# KiCad board selen-rev2.kicad_pcb
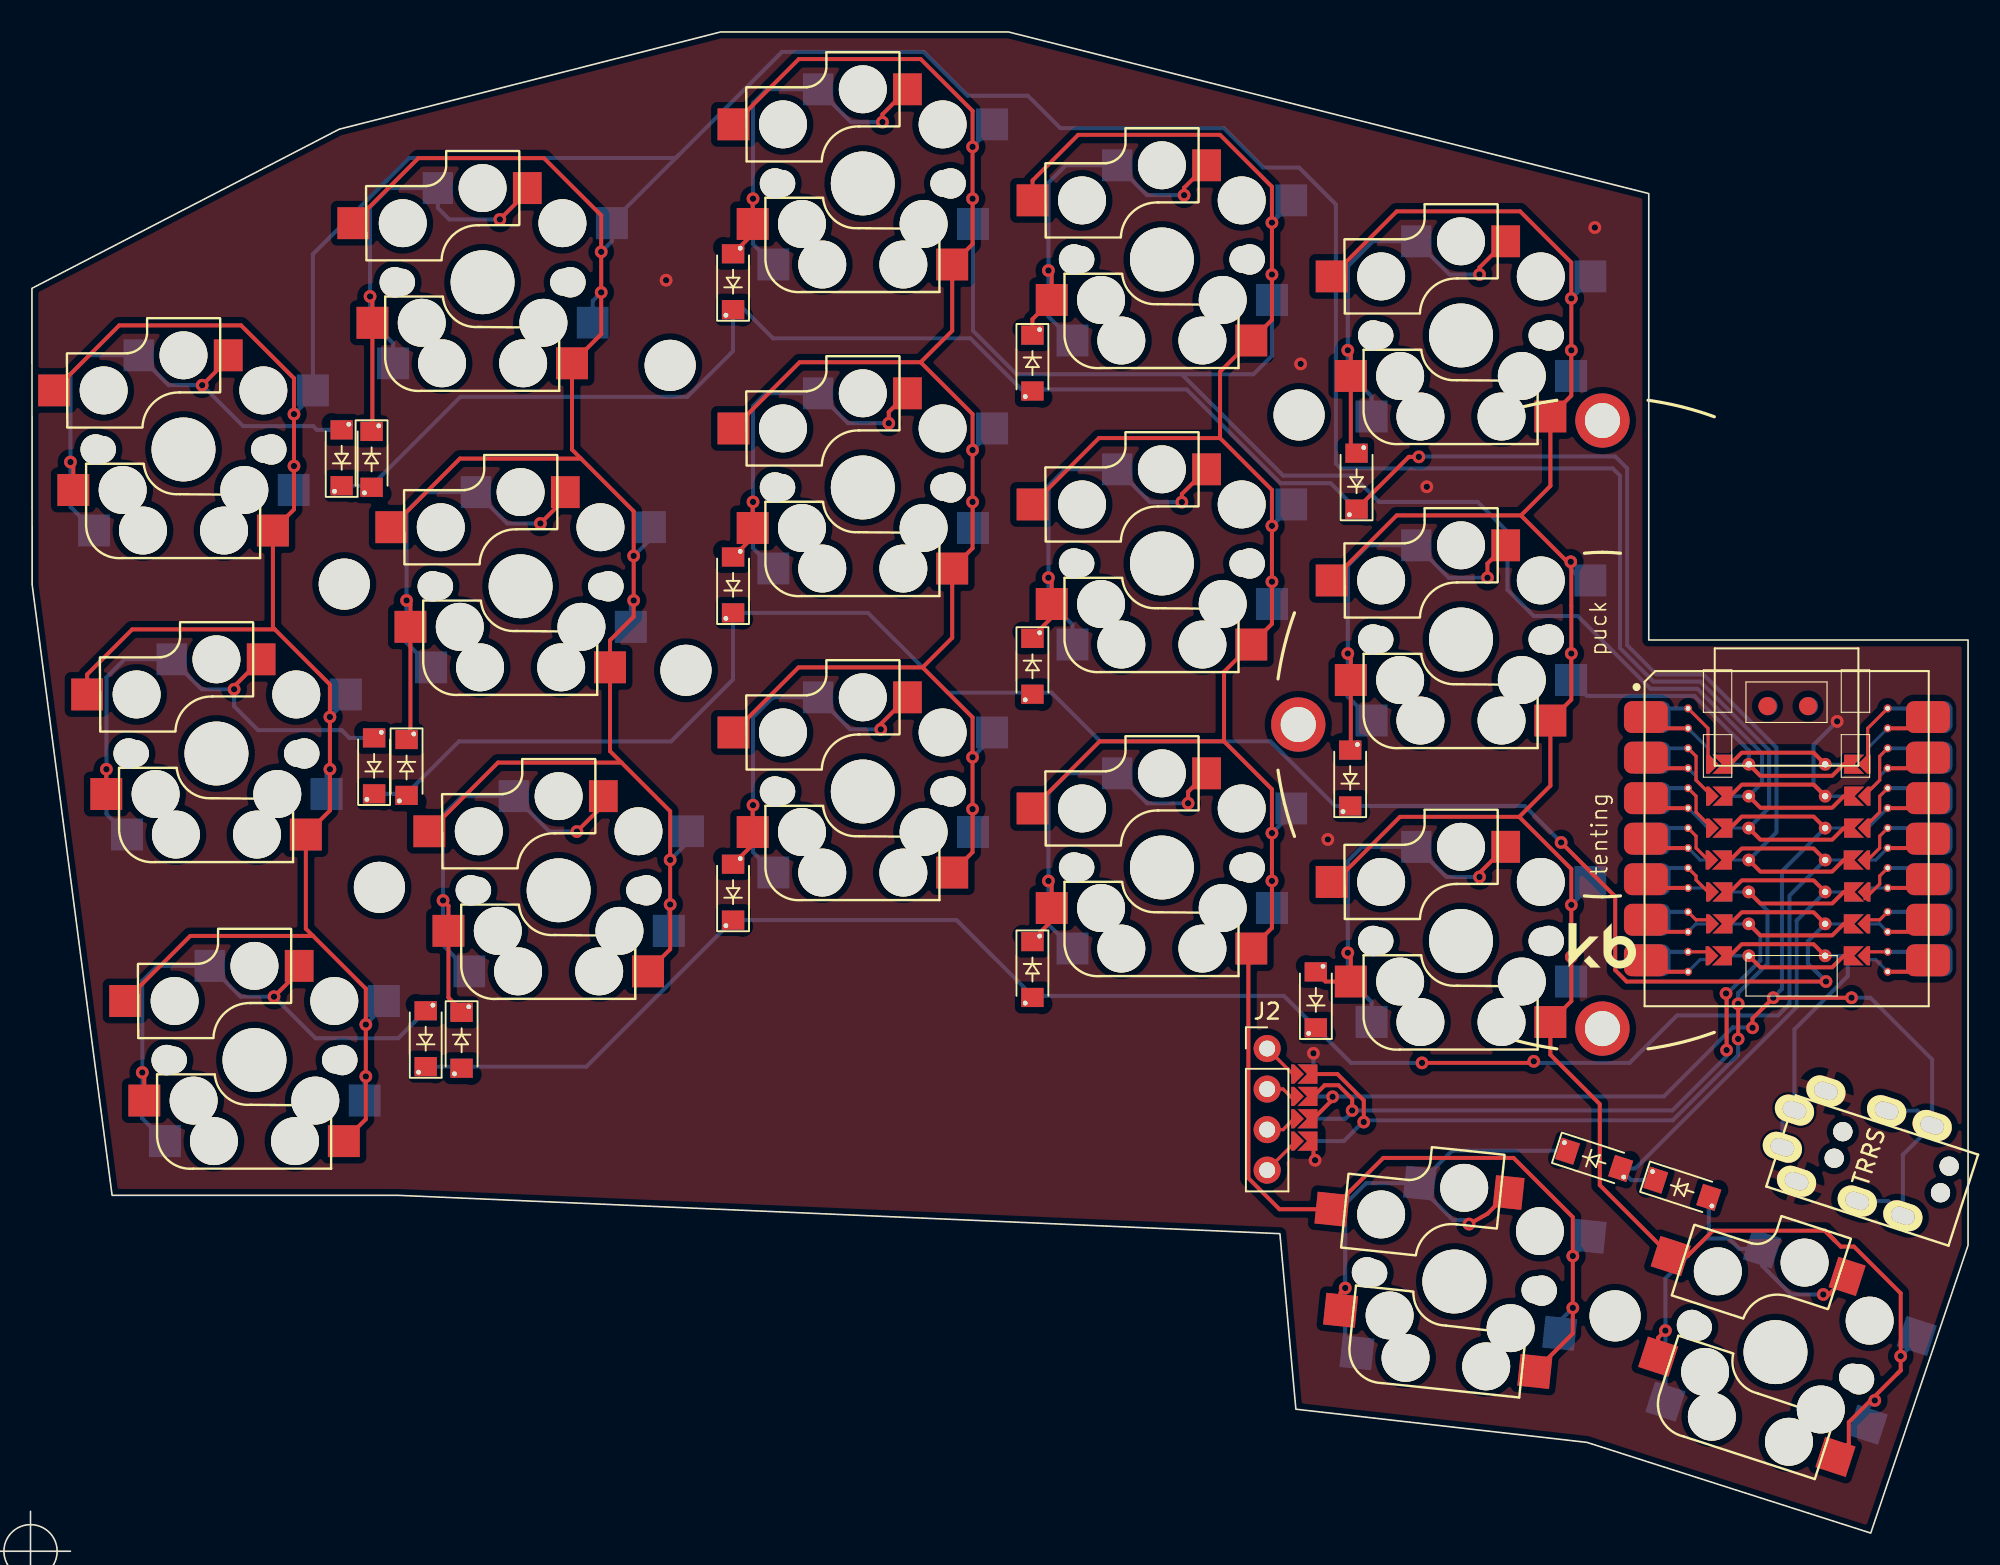
[diagram p0: board, top side]
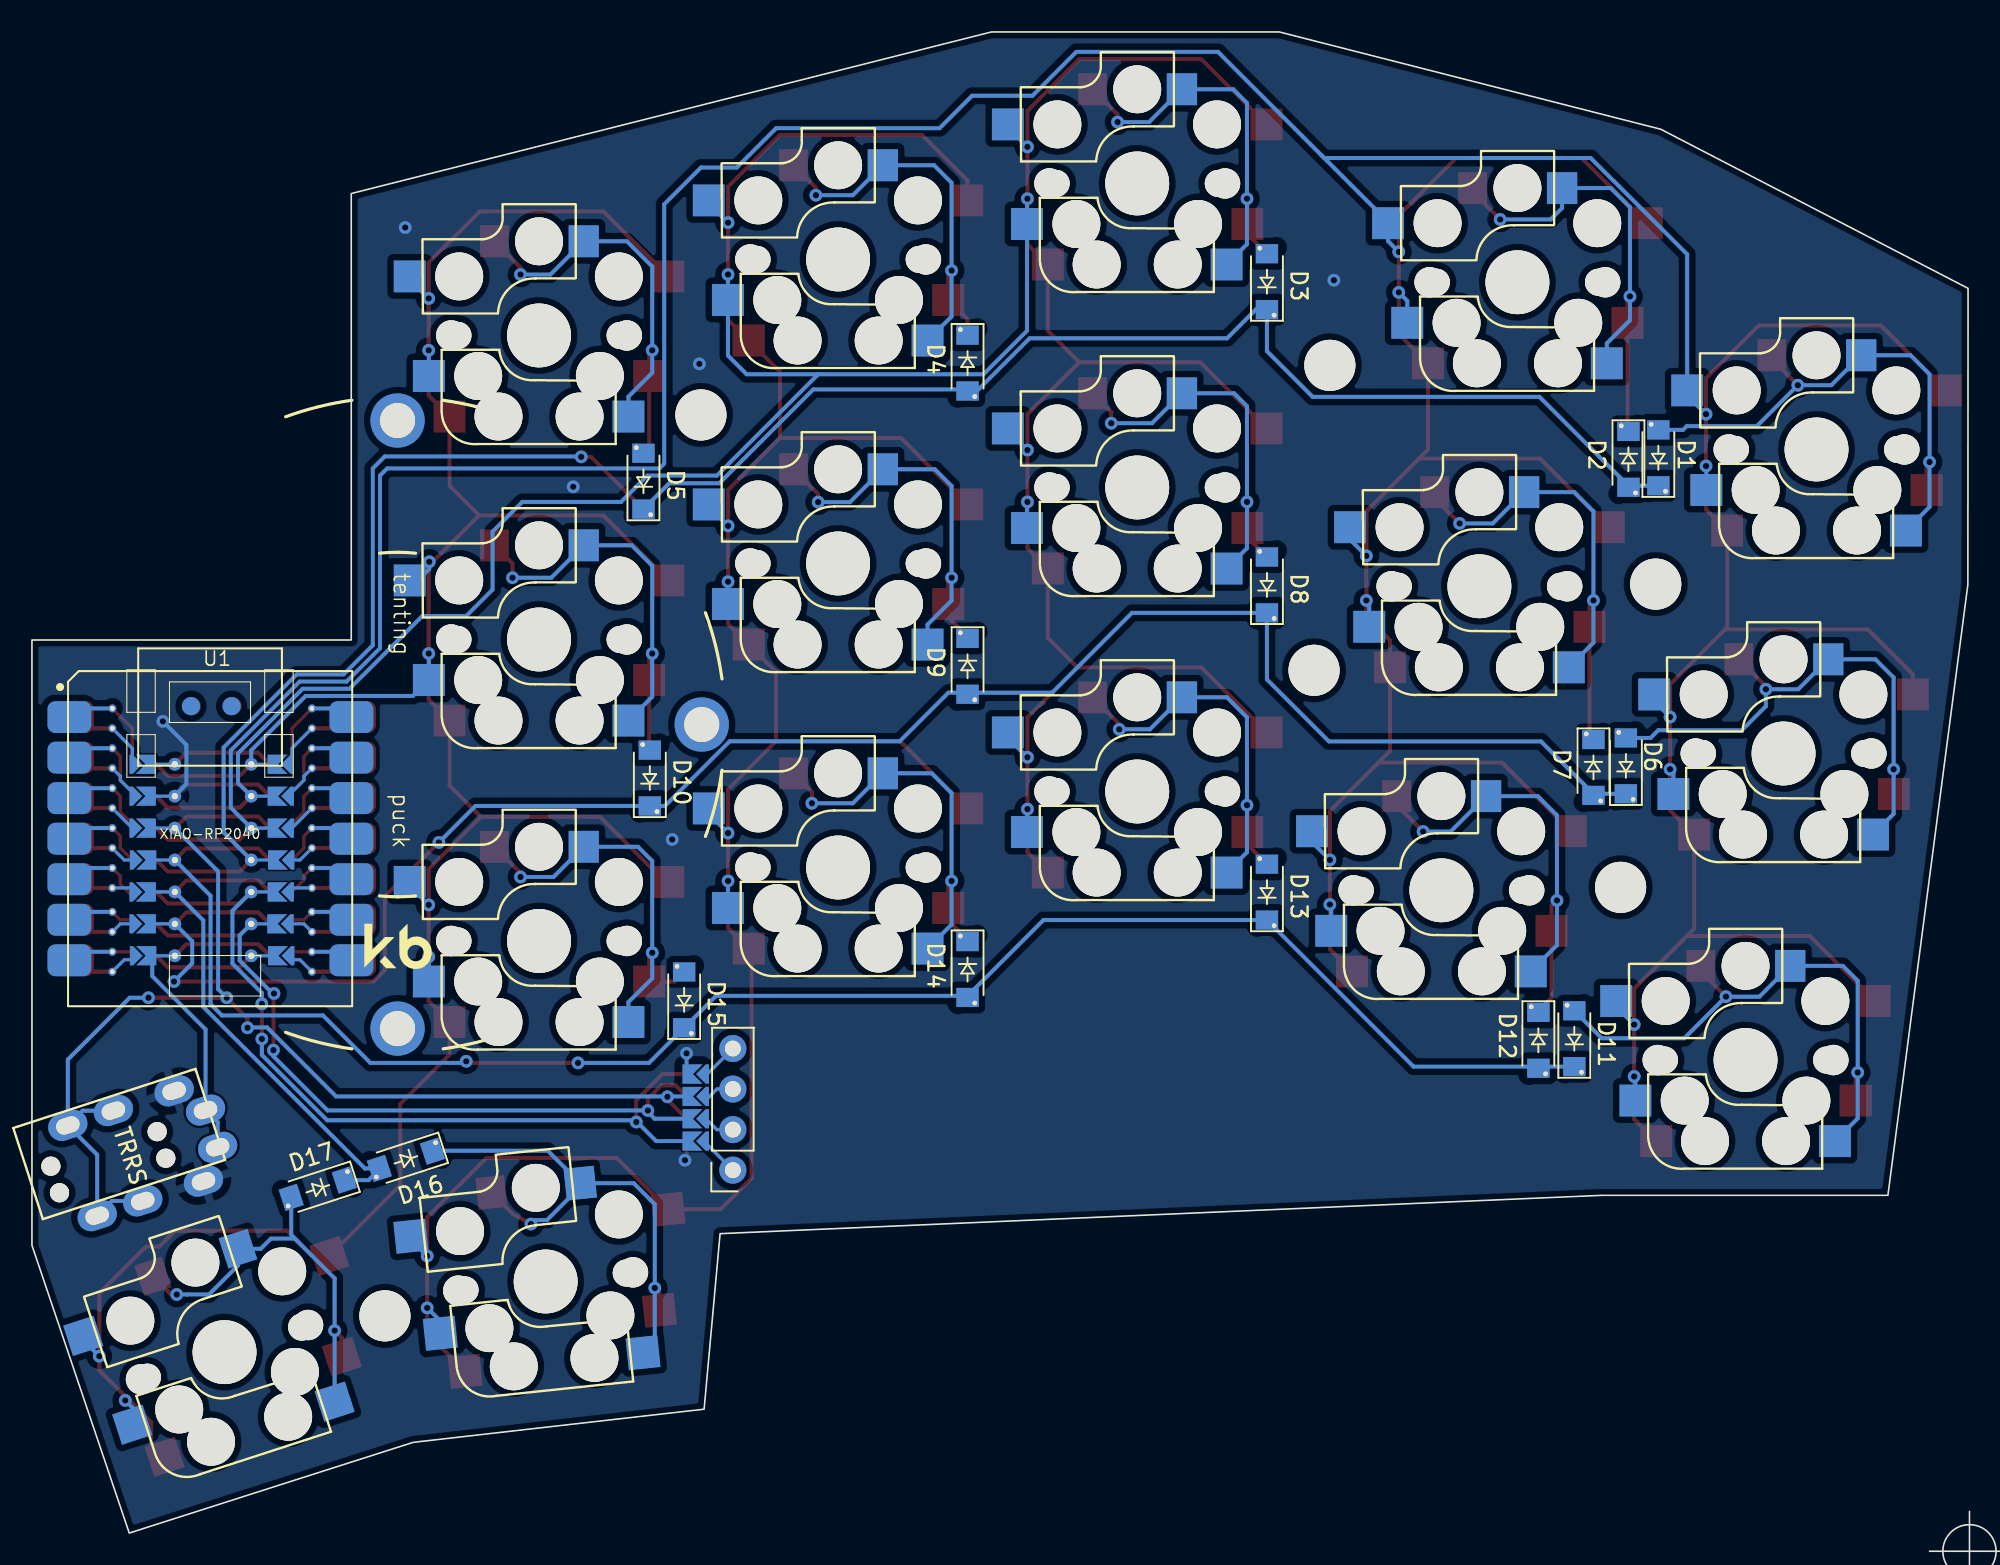
[diagram p1: board, bottom side, seen from below]

Outline 121.26 x 94.06 mm; copper layers: Top, Bottom. Coordinates in mm from the lower left corner of the outline.
Outline path: 101.26,83.93 101.26,55.96 121.26,55.96 121.26,18.03 115.17,0 97.39,5.68 79.16,7.76 78.16,18.76 22.96,21.16 5.02,21.16 0.01,59.43 0,78 19.24,87.97 43.14,94.06 61.15,94.06 closed
Stack: Top 0.035mm / dielectric 1.51mm FR4 er 4.5 / Bottom 0.035mm

## Placement (name value [footprint] x y rotation side)
D1  D  [D_SOD-123_axial]  19.4 67.33 90 top
D2  D  [D_SOD-123_axial]  21.27 67.33 270 top
D3  D  [D_SOD-123_axial]  43.91 78.36 90 top
D4  D  [D_SOD-123_axial]  62.66 73.36 270 top
D5  D  [D_SOD-123_axial]  82.96 65.86 90 top
D6  D  [D_SOD-123_axial]  21.43 48.02 90 top
D7  D  [D_SOD-123_axial]  23.46 48.02 270 top
D8  D  [D_SOD-123_axial]  43.91 59.36 90 top
D9  D  [D_SOD-123_axial]  62.66 54.36 270 top
D10  D  [D_SOD-123_axial]  82.56 47.26 90 top
D11  D  [D_SOD-123_axial]  24.66 30.93 90 top
D12  D  [D_SOD-123_axial]  26.91 30.93 270 top
D13  D  [D_SOD-123_axial]  43.91 40.11 90 top
D14  D  [D_SOD-123_axial]  62.66 35.36 270 top
D15  D  [D_SOD-123_axial]  80.41 33.36 90 top
D16  D  [D_SOD-123_axial]  97.79 23.4 342 top
D17  D  [D_SOD-123_axial]  103.31 21.59 342 top
J1  AudioJack4  [MJ-4PP-9]  120.96 20.86 252 top
J2  Conn_01x04  [PinHeader_1x04_P2.54mm_Vertical axial right]  77.36 30.36 0 top
REF**  -  [MountingHole_3.2mm_M3]  79.36 70.06 0 top
REF**#2  -  [MountingHole_3.2mm_M3]  21.76 40.46 0 top
REF**#3  -  [MountingHole_3.2mm_M3]  39.97 73.17 0 top
REF**#4  -  [MountingHole_3.2mm_M3]  19.56 59.46 0 top
REF**#5  Tenting Puck  [Tenting_Puck_1-3]  98.36 50.66 0 top
REF**#6  -  [MountingHole_3.2mm_M3]  99.15 13.61 0 top
REF**#7  -  [MountingHole_3.2mm_M3]  40.96 54.06 0 top
SW1  SW_Push  [CherryMX_Choc_Hotswap]  9.49 67.9 180 top
SW2  SW_Push  [CherryMX_Choc_Hotswap]  28.22 78.38 180 top
SW3  SW_Push  [CherryMX_Choc_Hotswap]  52.04 84.57 180 top
SW4  SW_Push  [CherryMX_Choc_Hotswap]  70.77 79.8 180 top
SW5  SW_Push  [CherryMX_Choc_Hotswap]  89.5 75.04 180 top
SW6  SW_Push  [CherryMX_Choc_Hotswap]  11.56 48.85 180 top
SW7  SW_Push  [CherryMX_Choc_Hotswap]  30.61 59.33 180 top
SW8  SW_Push  [CherryMX_Choc_Hotswap]  52.04 65.52 180 top
SW9  SW_Push  [CherryMX_Choc_Hotswap]  70.77 60.75 180 top
SW10  SW_Push  [CherryMX_Choc_Hotswap]  89.5 55.99 180 top
SW11  SW_Push  [CherryMX_Choc_Hotswap]  13.94 29.64 180 top
SW12  SW_Push  [CherryMX_Choc_Hotswap]  32.99 40.28 180 top
SW13  SW_Push  [CherryMX_Choc_Hotswap]  52.04 46.47 180 top
SW14  SW_Push  [CherryMX_Choc_Hotswap]  70.77 41.7 180 top
SW15  SW_Push  [CherryMX_Choc_Hotswap]  89.5 37.1 180 top
SW16  SW_Push  [CherryMX_Choc_Hotswap]  89.09 15.76 174 top
SW17  SW_Push  [CherryMX_Choc_Hotswap]  109.2 11.34 162 top
U1  XIAO-RP2040  [XIAO-MOUDLE14P-2.54-21X17.8MM_SMD_reversible]  99.73 32.92 0 top

## Footprints (pads in the part's own frame, mm; a bottom-side part is the same pattern mirrored in y, then rotated)
CherryMX_Choc_Hotswap
  round 1.9 hole 1.9 unplated: (-5.5,0) (5.5,0)
  round 1.7 hole 1.7 unplated: (-5.08,0) (5.08,0)
  round 3 hole 3 unplated: (-5,-3.7) (-3.81,2.54) (-2.54,5.08) (0,-5.9) (2.54,5.08) (3.81,2.54) (5,-3.7)
  round 4 hole 4 unplated: (0,0)
  rect 2x2 smd far side: 1(-8.1,-3.7) 1(-6.9,2.54) 2(5.6,5.08)
  rect 2x2 smd: 1(-5.6,5.08) 1(8.1,-3.7) 2(6.9,2.54)
  rect 1.8x2 smd: 2(-2.8,-5.9)
  rect 1.9x2 smd far side: 2(2.8,-5.9)
D_SOD-123_axial
  round 0.5 hole 0.3: 1(-2.05,0.45) 2(2.15,-0.45)
  rect 1.2x1.4 smd: 1(-1.7,0) 2(1.8,0)
  rect 1.2x1.4 smd far side: 1(-1.7,0) 2(1.8,0)
MJ-4PP-9
  round 1.2 hole 1.2 unplated: (-1.75,-1.5) (-1.75,-8.5) (0,-8.5) (0,-1.5)
  oval 1.7x2.5 hole 1x1.5: A(-2.1,-11.8) A(0.35,-11.8) B(-3.85,-3.3) B(2.1,-3.3) C(-3.85,-6.3) C(2.1,-6.3) D(-3.85,-10.3) D(2.1,-10.3)
MountingHole_3.2mm_M3
  round 3.2 hole 3.2 unplated: (0,0)
PinHeader_1x04_P2.54mm_Vertical axial right
  oval 1.7x1.7 hole 1: (0,0) (0,-2.54) (0,-5.08) (0,-7.62)
  custom 0.8x1.2 smd: (1.9,-1.6) (1.9,-3) (1.9,-4.4) (1.9,-5.8)
  custom 0.8x1.2 smd far side: (1.9,-1.6) (1.9,-3) (1.9,-4.4) (1.9,-5.8)
  custom 1.25x1.2 smd far side: 1(2.9,-1.6) 2(2.9,-3) 3(2.9,-4.4) 4(2.9,-5.8)
  custom 1.25x1.2 smd: 1(2.9,-5.8) 2(2.9,-4.4) 3(2.9,-3) 4(2.9,-1.6)
Tenting_Puck_1-3
  round 3.4 hole 2.2: 1(-19.05,0) 1(0,19.05) 1(0,-19.05)
XIAO-MOUDLE14P-2.54-21X17.8MM_SMD_reversible
  rrect 2.748x1.999 smd: (1.358,18.206) (1.358,15.666) (1.358,13.126) (1.358,10.586) (1.358,8.046) (1.358,5.506) (1.358,2.966) (19.024,18.206) (19.024,15.666) (19.024,13.126) (19.024,10.586) (19.024,8.046) (19.024,5.506) (19.024,2.966)
  rrect 2.748x1.999 smd far side: (1.524,18.206) (1.524,15.666) (1.524,13.126) (1.524,10.586) (1.524,8.046) (1.524,5.506) (1.524,2.966) (19.191,18.206) (19.191,15.666) (19.191,13.126) (19.191,10.586) (19.191,8.046) (19.191,5.506) (19.191,2.966)
  round 0.5 hole 0.3: (4,18.75) (4,17.5) (4,16.25) (4,15) (4,13.75) (4,12.5) (4,11.25) (4,10) (4,8.75) (4,7.5) (4,6) (4,4.75) (4,3.5) (4,2.25) (16.5,18.75) (16.5,17.5) (16.5,16.25) (16.5,15) (16.5,13.75) (16.5,12.5) (16.5,11.25) (16.5,10) (16.5,8.75) (16.5,7.5) (16.5,6) (16.5,4.75) (16.5,3.5) (16.5,2.25)
  custom 0.8x1.2 smd: (5.5,9.25) (5.5,3.25) (5.524,15.25) (5.524,13.25) (5.524,11.25) (5.524,7.25) (5.524,5.25) (15,9.25) (15,5.25) (15,3.25) (15.024,15.25) (15.024,13.25) (15.024,11.25) (15.024,7.25)
  custom 0.8x1.2 smd far side: (5.5,9.25) (5.5,3.25) (5.524,15.25) (5.524,13.25) (5.524,11.25) (5.524,7.25) (5.549,5.25) (15,9.25) (15,3.25) (15.024,15.25) (15.024,13.25) (15.024,11.25) (15.024,7.25) (15.024,5.25)
  custom 1.25x1.2 smd far side: 1(6.524,15.25) 2(6.524,13.25) 3(6.524,11.25) 4(6.5,9.25) 5(6.524,7.25) 6(6.549,5.25) 7(6.5,3.25) 8(14,3.25) 9(14.024,5.25) 10(14.024,7.25) 11(14,9.25) 12(14.024,11.25) 13(14.024,13.25) 14(14.024,15.25)
  custom 6.2x0.975 smd: 1(7.801,15.25) 2(7.801,13.25) 3(7.801,11.25) 4(7.801,9.25) 5(7.801,7.25) 6(7.801,5.25) 7(7.801,3.25) 8(12.587,3.25) 9(12.587,5.25) 10(12.587,7.25) 11(12.587,9.25) 12(12.587,11.25) 13(12.587,13.25) 14(12.587,15.25)
  round 0.8 hole 0.4: 1(7.801,15.25) 2(7.801,13.25) 3(7.801,11.25) 4(7.801,9.25) 5(7.801,7.25) 6(7.801,5.25) 7(7.801,3.25) 8(12.587,3.25) 9(12.587,5.25) 10(12.587,7.25) 11(12.587,9.25) 12(12.587,11.25) 13(12.587,13.25) 14(12.587,15.25)
  custom 1.25x1.2 smd: 1(14.024,15.25) 2(14.024,13.25) 3(14.024,11.25) 4(14,9.25) 5(14.024,7.25) 6(14,5.25) 7(14,3.25) 8(6.5,3.25) 9(6.524,5.25) 10(6.524,7.25) 11(6.5,9.25) 12(6.524,11.25) 13(6.524,13.25) 14(6.524,15.25)
  round 1.143 smd: 17(8.973,18.893) 18(11.513,18.893)
  round 1.143 smd far side: 17(11.576,18.893) 18(9.036,18.893)

## Nets
+3V3: J1.B J1.C J2.2 U1.12
GND: J1.D J2.1 U1.13
col0: SW1.1 SW2.1 SW6.1 SW7.1 SW11.1 SW12.1 U1.3
col1: SW3.1 SW4.1 SW8.1 SW9.1 SW13.1 SW14.1 SW16.1 U1.2
col2: SW5.1 SW10.1 SW15.1 SW17.1 U1.1
data: J1.A U1.8
row0: D1.1 D2.2 D3.1 D4.2 D5.1 U1.4
row1: D6.1 D7.2 D8.1 D9.2 D10.1 U1.9
row2: D11.1 D12.2 D13.1 D14.2 D15.1 U1.11
row3: D16.2 D17.1 U1.10
SCL: J2.3 U1.6
SDA: J2.4 U1.5
Net-(D1-Pad2): D1.2 SW1.2
Net-(D2-Pad1): D2.1 SW2.2
Net-(D3-Pad2): D3.2 SW3.2
Net-(D4-Pad1): D4.1 SW4.2
Net-(D5-Pad2): D5.2 SW5.2
Net-(D6-Pad2): D6.2 SW6.2
Net-(D7-Pad1): D7.1 SW7.2
Net-(D8-Pad2): D8.2 SW8.2
Net-(D9-Pad1): D9.1 SW9.2
Net-(D10-Pad2): D10.2 SW10.2
Net-(D11-Pad2): D11.2 SW11.2
Net-(D12-Pad1): D12.1 SW12.2
Net-(D13-Pad2): D13.2 SW13.2
Net-(D14-Pad1): D14.1 SW14.2
Net-(D15-Pad2): D15.2 SW15.2
Net-(D16-Pad1): D16.1 SW16.2
Net-(D17-Pad2): D17.2 SW17.2

Pads without a net: REF**#5 1; U1 7 14 17 18

## Via types
v1: diameter 0.8, hole 0.4, Top to Bottom, 91 vias

## Routing (per net, layer and track width the routed paths; a pad name or vN(x,y) marks a point on that pad's centre or on a via; arc(x,y) is an arc through that point)
+3V3: length 75.2
  Top w0.25: v1(113.96,33.55) v1(109.06,33.55) 107.76,32.25 v1(107.76,31.66) ; v1(81.46,27.34) 81.46,27.16 J2.2
  Bottom w0.25: v1(113.96,33.55) 115.14,33.55 119.01,29.67 J1.B ; 112.01,43.87 109.6,41.46 109.6,34.09 v1(109.06,33.55) ; J1.B 117.18,23.7 J1.B 116.25,20.81 J1.C ; J1.B 118.09,26.47 J1.C ; 116.59,26.05 115.56,27.08 ; J2.2 81.44,27.36 v1(81.46,27.34) 81.49,27.36 102.21,27.36 106.54,31.69 107.74,31.69 v1(107.76,31.66)
GND: length 7.7
  Top w0.25: J2.1 80.26,23.46 v1(80.36,23.36)
  Bottom w0.25: J2.1 v1(80.26,30.06) ; 112.01,46.47 112.03,46.49 111.59,46.94 111.59,49.39 v1(113.06,50.86)
  vias: v1(39.72,78.5) v1(79.46,73.26) v1(81.16,43.46) v1(87.36,65.56) v1(97.88,81.81)
col0: length 369.3
  Top w0.25: 36.92,48.28 39.97,45.23 v1(39.97,42.18) v1(39.97,39.39) 39.97,36.58 SW12.1 ; 36.92,48.28 36.21,49 SW7.1 36.21,55.94 37.69,57.42 v1(37.69,58.44) v1(37.69,61.23) 37.69,64.03 34.38,67.33 ; 36.92,48.28 29.19,48.28 24.89,43.98 ; SW1.1 5.47,75.67 13.1,75.67 16.41,72.36 v1(16.41,70.11) v1(16.41,66.86) 16.41,64.14 SW1.1 15.09,56.74 15.21,56.62 ; 17.61,37.41 9.91,37.41 SW11.1 ; 17.61,37.41 17.16,37.87 SW6.1 18.66,45.27 v1(18.66,47.86) 18.66,53.17 15.21,56.62 ; 17.61,37.41 20.91,34.11 v1(20.91,31.86) v1(20.91,28.61) 20.91,25.93 SW11.1 ; 15.21,56.62 6.28,56.62 3.46,53.8 SW6.1 ; SW2.1 24.2,86.15 32.07,86.15 35.65,82.57 v1(35.65,80.28) v1(35.65,77.74) 35.65,75.13 SW2.1 33.82,67.89 34.38,67.33 ; 34.38,67.33 26.81,67.33 SW7.1
  Bottom w0.25: SW11.1 22.04,32.99 v1(20.91,31.86) ; SW11.1 20.84,28.54 v1(20.91,28.61) ; v1(39.97,42.18) 41.09,43.3 SW12.1 ; v1(16.41,70.11) 17.59,71.29 SW1.1 17.59,80.13 22.19,84.73 22.2,84.73 23.64,86.16 40.33,86.16 40.49,86.33 ; SW7.1 37.51,58.26 v1(37.69,58.44) ; v1(39.97,39.39) 39.89,39.3 SW12.1 ; SW6.1 18.46,47.65 v1(18.66,47.86) ; v1(35.65,77.74) 35.12,77.21 SW2.1 ; 107.83,44.47 108.81,45.45 108.81,49.04 104.49,53.35 101.56,53.35 99.46,55.45 99.46,66.26 ; SW6.1 19.66,52.13 v1(18.66,51.14) ; SW7.1 38.71,62.25 v1(37.69,61.23) ; SW1.1 16.39,66.84 v1(16.41,66.86) ; 40.49,86.33 36.32,82.16 SW2.1 36.32,80.95 v1(35.65,80.28) ; 40.49,86.33 46.98,92.81 55.85,92.81 58.6,90.06 62.38,90.06 64.41,88.03 74.65,88.03 77.12,85.56 79.36,85.56 81.66,83.26 81.66,67.01 81.96,66.71 99.01,66.71 99.41,66.31
col1: length 354
  Top w0.25: SW14.1 76.37,35.76 ; SW14.1 76.19,36.44 76.19,22.24 78.13,20.29 SW16.1 84.64,23.51 92.8,23.51 96.51,19.8 v1(96.51,17.36) v1(96.51,14.11) 96.51,12.51 SW16.1 ; SW14.1 77.66,37.92 v1(77.66,40.86) v1(77.66,43.86) 77.66,46.61 74.66,49.61 ; 55.66,73.36 58.91,70.11 v1(58.91,67.86) v1(58.91,64.61) 58.91,61.71 SW8.1 57.64,56.1 55.78,54.24 ; 55.66,73.36 48.08,73.36 SW8.1 ; 55.66,73.36 57.64,75.34 SW3.1 58.91,80.76 v1(58.91,83.61) v1(58.91,86.86) 58.91,89.11 55.66,92.36 48.03,92.36 SW3.1 ; 55.78,54.24 48.01,54.24 SW13.1 ; 55.78,54.24 58.91,51.11 v1(58.91,48.61) v1(58.91,45.36) 58.91,42.66 SW13.1 ; SW4.1 62.67,84.75 65.53,87.61 74.41,87.61 77.66,84.36 v1(77.66,82.11) v1(77.66,78.86) 77.66,76.02 SW4.1 74.41,72.77 74.41,68.61 ; 74.41,68.61 77.66,65.36 v1(77.66,63.11) v1(77.66,59.61) 77.66,56.97 SW9.1 74.66,53.97 74.66,49.61 ; 74.41,68.61 66.83,68.61 SW9.1 ; 74.66,49.61 66.88,49.61 SW14.1
  Bottom w0.25: 72.01,72.61 61.66,72.61 58.94,75.34 SW3.1 58.94,83.59 v1(58.91,83.61) ; 72.01,72.61 78.36,66.26 82.71,66.26 84.36,64.61 90.55,64.61 92.41,62.75 92.41,59.11 94.06,57.46 96.81,57.46 101.37,52.9 104.3,52.9 108.36,48.85 108.36,47 107.83,46.47 ; 72.01,72.61 76.5,72.61 77.67,73.78 SW4.1 77.67,78.85 v1(77.66,78.86) ; v1(77.66,82.11) 78.87,83.32 SW4.1 ; SW16.1 95.68,13.29 v1(96.51,14.11) ; SW13.1 58.94,45.34 v1(58.91,45.36) ; SW3.1 60.14,88.09 v1(58.91,86.86) ; SW16.1 97.53,18.38 v1(96.51,17.36) ; v1(58.91,67.86) 60.14,69.09 SW8.1 ; v1(58.91,64.61) 58.94,64.59 SW8.1 ; SW9.1 78.87,64.32 v1(77.66,63.11) ; SW13.1 60.14,49.84 v1(58.91,48.61) ; SW14.1 78.87,45.07 v1(77.66,43.86) ; SW14.1 77.67,40.85 v1(77.66,40.86) ; v1(77.66,59.61) 77.67,59.6 SW9.1
col2: length 174.2
  Top w0.25: 93.15,44.88 95.1,46.83 SW10.1 96.41,52.22 v1(96.41,55.11) 96.41,60.61 93.26,63.77 ; 93.15,44.88 96.41,41.61 v1(96.41,39.36) v1(96.41,36.11) 96.41,33.33 SW15.1 95.1,29.98 98.19,26.89 98.19,21.81 SW17.1 103.69,17.36 105.28,18.95 112.29,18.95 ; 93.15,44.88 85.68,44.88 81.6,40.8 SW15.1 ; 93.26,63.77 85.48,63.77 SW10.1 ; 93.26,63.77 95.1,65.61 SW5.1 96.41,71.27 v1(96.41,74.11) v1(96.41,77.36) 96.41,79.61 93.21,82.82 85.48,82.82 SW5.1 ; 112.9,18.34 113.29,17.95 114.12,17.95 117.04,15.02 v1(117.04,11.08) 117.04,10.2 ; 112.9,18.34 112.29,18.95 ; 112.9,18.34 112.29,18.95 ; 116.85,10.01 113.79,6.95 113.79,5.61 SW17.1 ; 116.85,10.01 117.04,10.2 ; 116.85,10.01 117.04,10.2
  Bottom w0.25: v1(96.41,74.11) 96.4,74.1 SW5.1 ; v1(96.38,60.86) 96.38,60.41 97.1,59.69 SW10.1 97.6,59.3 ; SW17.1 118.05,12.09 v1(117.04,11.08) ; SW15.1 96.4,36.1 v1(96.41,36.11) ; SW17.1 114.98,7.87 v1(115.42,8.31) ; SW15.1 97.6,40.55 v1(96.41,39.36) ; v1(96.41,77.36) 97.6,78.55 SW5.1 97.6,78.3 ; 107.53,48.6 107.53,49.05 104.12,52.45 97.4,52.45 SW10.1 96.4,55.1 v1(96.41,55.11)
data: length 13.3
  Bottom w0.25: J1.A 109.63,25.75 J1.A 110.39,31.56 113.73,34.9 113.73,35.75
row0: length 123.9
  Top w0.25: D5.1 86.24,67.44 v1(86.86,67.44)
  Bottom w0.25: D1.1 21.27,65.63 26.84,71.19 41.05,71.19 43.91,74.06 D3.1 44.61,76.66 46.41,74.86 58.78,74.86 61.98,71.66 72.33,71.66 78.21,65.78 81.34,65.78 D5.1 ; 107.83,42.47 109.26,43.9 109.26,49.23 104.68,53.8 101.74,53.8 99.91,55.63 99.91,66.71 99.16,67.46 86.89,67.46 v1(86.86,67.44)
row1: length 114.5
  Top w0.25: v1(112.36,34.56) 99.87,34.56 99.16,35.27 99.16,39.89 v1(95.77,43.27)
  Bottom w0.25: v1(95.77,43.27) 93.49,45.56 D10.1 81.61,45.56 77.56,49.61 66.91,49.61 63.86,52.66 57.36,52.66 52.36,57.66 D8.1 43.91,53.49 40.03,49.6 26.74,49.6 23.46,46.32 D6.1 ; 112.01,37.87 111.22,37.09 111.22,35.7 v1(112.36,34.56)
row2: length 104.1
  Top w0.25: v1(87.06,29.46) 93.96,29.46 v1(94.06,29.56)
  Bottom w0.25: D11.1 34.73,29.23 D13.1 57.91,38.41 62.66,33.66 78.41,33.66 D15.1 82.61,29.46 v1(87.06,29.46) ; v1(94.06,29.56) 94.16,29.46 100.06,29.46 103.04,32.44 109.36,32.44 110.08,33.15 110.08,39.94 112.01,41.87
row3: length 25.3
  Bottom w0.25: D16.2 100.41,22.85 110.53,32.96 110.53,38.39 112.01,39.87 ; 99.41,22.88 100.17,22.12 D17.1
SCL: length 40.4
  Top w0.25: v1(106.14,30.26) 106.14,33.78 v1(106.1,33.81) ; J2.3 80.96,28.06 81.83,28.06 82.69,27.2 v1(82.69,26.48)
  Bottom w0.25: J2.3 82.26,25.96 82.78,26.48 102.74,26.48 106.14,29.87 v1(106.14,30.26) ; 107.83,37.87 108.25,37.45 108.25,35.87 106.19,33.81 v1(106.1,33.81)
SDA: length 45.1
  Top w0.25: J2.4 81.76,28.76 83.41,27.11 v1(83.41,25.75) ; v1(106.86,30.96) v1(106.86,33.16)
  Bottom w0.25: 107.83,39.87 108.7,39 108.7,35.69 106.86,33.85 v1(106.86,33.16) ; v1(106.86,30.96) 106.86,29.96 102.76,25.86 83.46,25.86 82.16,24.56 J2.4
Net-(D1-Pad2): length 34.2
  Top w0.25: v1(10.66,71.92) 12.29,73.55 SW1.2 ; v1(2.41,67.11) 2.59,66.93 SW1.2
  Bottom w0.25: D1.2 17.85,69.13 17.62,69.36 13.23,69.36 v1(10.66,71.92) 8.57,71.92 SW1.2 3.6,73.8 2.41,72.61 v1(2.41,67.11) 2.41,64.3 SW1.2
Net-(D2-Pad1): length 31.7
  Top w0.25: SW2.2 31.02,84.03 v1(29.3,82.31) ; v1(21.18,77.49) 21.32,77.34 SW2.2 21.32,69.18 21.27,69.13
  Bottom w0.25: v1(29.3,82.31) 26.14,82.31 25.42,83.03 SW2.2 22.38,84.28 21.18,83.08 v1(21.18,77.49) 21.18,75.99 22.62,74.55 SW2.2
Net-(D3-Pad2): length 26.6
  Top w0.25: v1(53.27,88.41) 53.27,88.9 SW3.2 ; D3.2 45.14,81.39 SW3.2 45.14,83.59 v1(45.16,83.61)
  Bottom w0.25: SW3.2 45.16,80.76 v1(45.16,83.61) 45.16,89.61 46.02,90.47 SW3.2 51.29,88.41 v1(53.27,88.41)
Net-(D4-Pad1): length 27.2
  Top w0.25: v1(63.66,79.11) 63.87,78.9 SW4.2 62.66,76.06 62.66,75.16 ; v1(72.16,83.83) 72.16,84.3 SW4.2
  Bottom w0.25: SW4.2 63.66,76.23 v1(63.66,79.11) 63.66,84.61 64.76,85.7 SW4.2 69.85,83.83 v1(72.16,83.83)
Net-(D5-Pad2): length 29.2
  Top w0.25: v1(82.41,74.11) 82.6,73.92 SW5.2 82.6,68.02 D5.2 ; v1(90.66,78.86) 90.66,79.3 SW5.2
  Bottom w0.25: v1(90.66,78.86) 88.78,78.86 SW5.2 83.99,80.94 82.41,79.36 v1(82.41,74.11) 82.41,72.7 83.9,71.21 SW5.2
Net-(D6-Pad2): length 34.4
  Top w0.25: SW6.2 4.66,47.85 v1(4.66,47.86) ; v1(12.66,52.87) 12.66,53.05 SW6.2
  Bottom w0.25: D6.2 19.88,49.82 19.4,50.31 14.16,50.31 12.66,51.81 v1(12.66,52.87) 10.63,52.87 SW6.2 5.8,54.75 4.66,53.61 v1(4.66,47.86) 4.66,45.06 SW6.2
Net-(D7-Pad1): length 31.5
  Top w0.25: 23.46,49.82 23.71,50.07 SW7.2 23.71,58.19 v1(23.46,58.44) ; 33.41,65.23 33.41,64.82 v1(31.84,63.26)
  Bottom w0.25: v1(31.84,63.26) 29.77,63.26 27.81,65.23 24.66,65.23 23.46,64.03 v1(23.46,58.44) 23.46,55.79 SW7.2
Net-(D8-Pad2): length 26.6
  Top w0.25: v1(53.66,69.54) 53.66,70.24 SW8.2 ; D8.2 45.14,62.39 SW8.2 45.14,64.59 v1(45.16,64.61)
  Bottom w0.25: SW8.2 45.16,61.71 v1(45.16,64.61) 45.16,70.61 45.97,71.42 SW8.2 51.11,69.54 v1(53.66,69.54)
Net-(D9-Pad1): length 27.2
  Top w0.25: SW9.2 72.02,65.1 v1(72.02,64.6) ; v1(63.66,59.86) 63.87,59.65 SW9.2 63.87,57.37 62.66,56.16
  Bottom w0.25: SW9.2 65.17,56.92 63.66,58.43 v1(63.66,59.86) 63.66,65.61 64.71,66.65 SW9.2 70.03,64.6 v1(72.02,64.6)
Net-(D10-Pad2): length 29.1
  Top w0.25: SW10.2 91.16,60.75 v1(91.16,59.86) ; D10.2 82.6,49.1 SW10.2 82.6,54.92 v1(82.41,55.11)
  Bottom w0.25: SW10.2 82.41,52.4 v1(82.41,55.11) 82.41,60.61 83.69,61.89 SW10.2 88.73,59.86 v1(91.16,59.86)
Net-(D11-Pad2): length 35.8
  Top w0.25: SW11.2 16.74,35.19 v1(15.16,33.61) ; v1(6.91,28.86) 7.04,28.74 SW11.2
  Bottom w0.25: D11.2 22.94,31.01 17.77,31.01 v1(15.16,33.61) 13.07,33.61 SW11.2 7.84,35.54 6.91,34.61 v1(6.91,28.86) 6.91,25.98 SW11.2
Net-(D12-Pad1): length 30.6
  Top w0.25: SW12.2 35.79,45.62 v1(34.13,43.96) ; v1(25.75,39.64) 26.09,39.3 SW12.2 26.09,33.55 26.91,32.73
  Bottom w0.25: 26.41,33.16 26.46,33.16 ; v1(34.13,43.96) 32.4,43.96 SW12.2 26.95,46.18 25.75,44.98 v1(25.75,39.64) 25.75,36.84 27.39,35.2
Net-(D13-Pad2): length 26.5
  Top w0.25: v1(45.16,45.61) 45.14,45.59 SW13.2 45.14,43.14 D13.2 ; v1(53.16,50.36) 53.16,50.69 SW13.2
  Bottom w0.25: v1(53.16,50.36) 51.24,50.36 SW13.2 46.42,52.37 45.16,51.11 v1(45.16,45.61) 45.16,42.66 SW13.2
Net-(D14-Pad1): length 27
  Top w0.25: SW14.2 72.41,46.45 v1(72.41,45.73) ; 62.66,37.16 63.87,38.37 SW14.2 63.87,40.65 v1(63.66,40.86)
  Bottom w0.25: SW14.2 63.66,38.13 v1(63.66,40.86) 63.66,46.36 64.91,47.6 SW14.2 69.85,45.73 v1(72.41,45.73)
Net-(D15-Pad2): length 27
  Top w0.25: SW15.2 90.66,41.36 v1(90.66,41.11) ; v1(82.41,36.36) 82.6,36.17 SW15.2 81.01,34.56 D15.2
  Bottom w0.25: SW15.2 83.9,33.27 82.41,34.76 v1(82.41,36.36) 82.41,42.11 83.3,43 SW15.2 88.59,41.11 v1(90.66,41.11)
Net-(D16-Pad1): length 33.8
  Top w0.25: v1(82.25,15.36) 81.96,15.06 SW16.2 ; v1(90.01,19.36) 91.15,20 SW16.2
  Bottom w0.25: v1(90.01,19.36) 89.76,19.61 89.01,19.61 86.92,21.7 SW16.2 ; SW16.2 88.95,23.96 96.08,23.96 ; SW16.2 83.57,21.92 82.25,20.61 v1(82.25,15.36) 82.25,12.03 SW16.2
Net-(D17-Pad2): length 27.5
  Top w0.25: v1(112.19,14.95) 112.55,14.95 SW17.2 ; v1(102.3,12.69) 101.85,12.24 SW17.2
  Bottom w0.25: SW17.2 v1(102.3,12.69) 102.3,15.96 104.57,18.23 ; v1(112.19,14.95) 110.17,14.95 108.36,16.76 SW17.2 106.93,17.81 106.29,18.45 104.79,18.45 104.57,18.23 ; D17.2 105.02,18.68 104.57,18.23

## Copper pours and planes (outline as drawn; the poured copper is in the pictures)
GND on Top, Bottom: 101.25,83.95 101.25,55.98 121.25,55.98 121.25,18.05 115.16,0.02 97.38,5.7 71.98,8.65 29.71,20.63 5.01,21.18 0,59.45 -0.01,78.01 19.23,87.98 43.13,94.08 61.14,94.08

## Text on the board
B.Mask: Selen r2 v.0.3.0 stardard | PCB Designed by @narinari
F.Mask: PCB Designed by @narinari | Selen r2 v.0.3.0 stardard
